# Altium PCB 400150.PcbDoc (part 2 of 3)
Units mil, origin at the board's own origin, x right, y up, seen from the top; angles counter-clockwise.
Board outline 4000 x 2500 mil, 4 copper layers (Top Layer, Mid-Layer 1, Mid-Layer 2, Bottom Layer), stack 62.293 mil thick; 200 components, 153 nets, 913 pads, 613 vias.
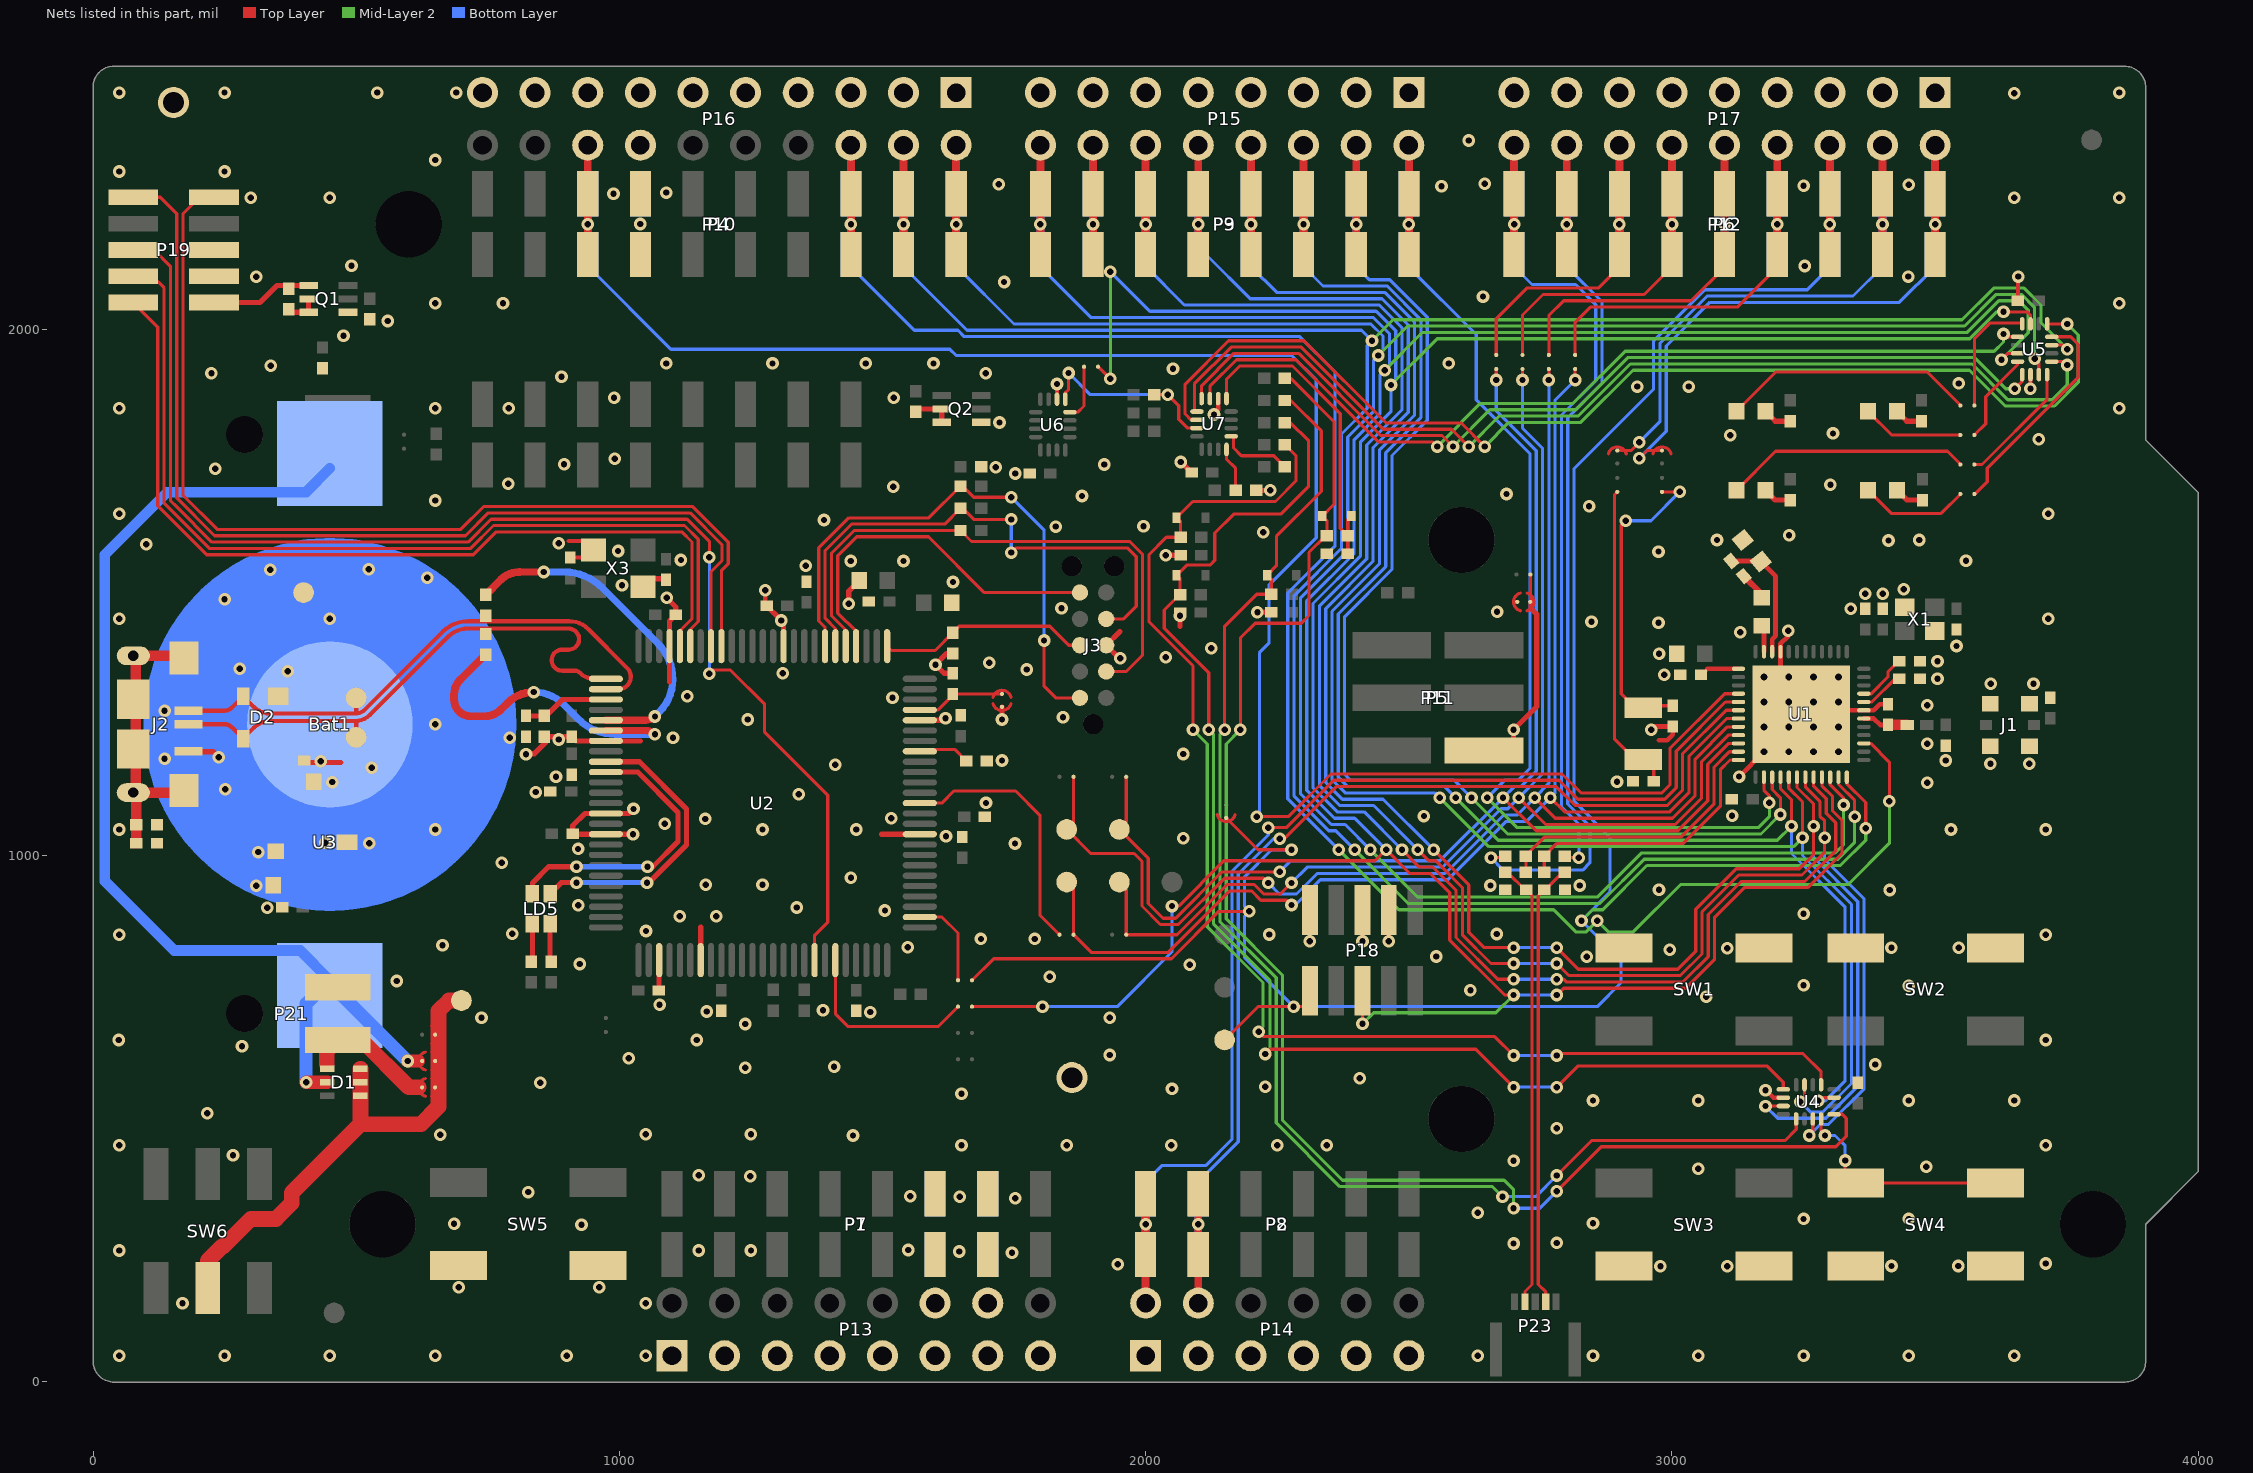
[diagram p4: the nets of this part, all layers, seen from the top]

## Via types
v1: diameter 24, hole 12, Top Layer to Bottom Layer, tented both sides, 576 vias
v2: diameter 24, hole 12, Top Layer to Bottom Layer, 21 vias
v3: diameter 25.98, hole 12.99, Top Layer to Bottom Layer, tented both sides, 16 vias

## Nets (pads, with @x,y where several pads share a name; then routed paths per layer and width w, separated by ;. In a path a pad name is that pad's centre, name@x,y a point inside that pad or via, vN(x,y) a via of type N, cw(c..) or ccw(c..) an arc to the next point about the centre after c; other vN are vias at no path point) (continued)
BUTTON4: SW4.2 U4.12 | length 425.6
  Top Layer w6: U4.12@3283.29,499.52 3283.29,475.38 v1(3290.66,468) ; v1(3329.02,420.63) 3329.02,396.63 3348.02,377.63 SW4.2@3613.77,377.63
  Bottom Layer w6: v1(3290.66,468) 3309.65,468 3329.02,448.63 v1(3329.02,420.63)
BUTTON4_EXT: C51.1 D6.3 R43.1 U7.5 | length 612.5
  Top Layer w6: U7.5@2153.56,1868.23 2153.56,1905.02 2178.53,1930 2278.99,1930 2369.75,1839.24 2369.75,1621.71 R43.1@2383.76,1607.69 ; C51.1@2383.76,1573.69 R43.1@2383.76,1607.69 ; D6.3@2390.86,1645 2383.76,1637.9 R43.1@2383.76,1607.69
CTS: SB22.2 U2.38 | length 499.2
  Top Layer w6: U2.38@1570.83,1099.6 1612.55,1099.6 1635.55,1122.6 1753.01,1122.6 1799,1076.6 1798.99,887.01 SB22.2@1836.4,849.6
DEC1: C4.1 U1.1 | length 76
  Top Layer w8: C4.1@3055.31,1342.92 3067.16,1354.77 U1.1@3126.37,1354.77
DEC2: C6.1 U1.32 | length 88.3
  Top Layer w6: U1.32@3364.56,1291.78 3379.76,1291.78 3424.14,1336.16 C6.1@3434.46,1336.16
DEC3: C7.1 U1.33 | length 96
  Top Layer w6: U1.33@3364.56,1307.53 3378.54,1307.53 3410.46,1339.46 3410.46,1349.35 C7.1@3429.52,1368.41
DEC4: C10.2 L3.1 U1.46 | length 241.3
  Top Layer w9: L3.1@3112.48,1559.49 C10.2@3167.89,1559.48 ; C10.2@3168.58,1558.8 3196.71,1530.66 3196.71,1417.47 3190.35,1411.11 U1.46@3190.35,1387.25
DFSD_N: R14.1 U2.80 | length 645
  Top Layer w13.78: 810,1538.6 v1(856.61,1538.6) ; U2.80@974.38,1257.18 1048.61,1257.18 ; 1050.33,1257.18 ccw(c1050.33,1281.62) v1@1067.61,1264.34
  Top Layer w15: R14.1@746.01,1495.22 774.82,1524.03 cw(c810,1488.84) 810,1538.6
  Bottom Layer w13.78: v1(856.61,1538.6) 896.18,1538.6 cw(c896.18,1438.6) 966.9,1509.31 1073.32,1402.88 cw(c1005.04,1334.6) 1101.61,1334.6 cw(c1013.82,1334.6) 1075.89,1272.53 v1(1067.61,1264.24)
DFSD_P: R13.1 U2.81 | length 642.8
  Top Layer w13.78: U2.81@974.38,1237.39 1049.61,1237.39 ; 1050.33,1237.39 cw(c1050.33,1212.96) v1@1067.61,1230.24
  Top Layer w15: R13.1@746.01,1382.31 697.81,1334.11 ccw(c726.32,1305.6) 686,1305.6 686,1296.6 ccw(c718,1296.6) 718,1264.6 743.64,1264.6 ccw(c743.64,1309.96) 775.71,1277.89 787.8,1289.97 cw(c837.61,1240.16) v1(837.61,1310.6)
  Bottom Layer w13.78: v1(837.61,1310.6) cw(c837.61,1230.93) 893.94,1287.27 921.68,1259.53 ccw(c992.39,1330.24) 992.39,1230.24 v1@1067.61,1230.24
  other v1: 1067.61,1230.34
DHSD_N: D2.2 J2.2 R14.2 TP2.1 U2.77 | length 1124.2
  Top Layer w8: J2.2@181.84,1275.1 249.61,1275.1 ccw(c249.61,1295.1) 263.75,1280.95 D2.2@284.82,1302.03 ; D2.2@285.2,1302.95 285.2,1302.72 305.26,1282.66 ccw(c336.68,1314.07) 336.68,1269.65 497.83,1269.65 ccw(c497.83,1296.26) 516.65,1277.44 664.24,1425.04 ; 500,1271.82 TP2.1@500,1299.6 ; 664.14,1425.14 cw(c712.81,1376.48) 712.41,1445.3 904.62,1445.3 cw(c904.62,1393.92) 940.96,1430.25 1014.68,1356.53 ; 712.43,1445.3 cw(c712.81,1376.48) 712.81,1445.3 ; U2.77@974.38,1316.13 U2.77@997.79,1316.13 ; 1014.68,1356.53 cw(c997.8,1339.64) 997.8,1315.77 ccw(c997.8,1339.64) 1014.68,1356.53
  Top Layer w13.78: D2.2@285.2,1302.95 cw(c283.89,1302.95) 284.82,1302.03 ccw(c283.89,1302.95) D2.2@285.2,1302.95
DHSD_P: D2.3 J2.3 R13.2 TP1.1 U2.76 | length 1102.6
  Top Layer w8: J2.3@181.84,1249.6 249.61,1249.6 cw(c249.61,1229.6) 263.75,1243.74 D2.3@285.2,1222.25 ; D2.3@285.2,1222.49 305.26,1242.55 ; TP1.1@500,1224.6 500,1253.17 ; 674.57,1415.53 cw(c712.41,1377.7) 674.78,1415.73 cw(c712.41,1377.7) 712.41,1431.2 904.91,1431.2 ; 674.98,1415.93 526.62,1267.58 cw(c497.61,1296.6) 497.61,1255.56 336.67,1255.56 ; 891.42,1351.1 cw(c891.42,1371.1) 891.42,1391.1 ; 891.61,1351.1 915.35,1351.1 cw(c915.35,1337.44) 925.01,1347.1 ccw(c952.24,1374.33) 952.24,1335.82 U2.76@974.38,1335.82 ; 891.81,1391.1 903.62,1391.1 ccw(c903.62,1411.1) 903.62,1431.1 ; 305.26,1242.55 cw(c336.67,1211.13) 336.67,1255.56 ; 305.26,1242.55 cw(c336.67,1211.13) 336.67,1255.56
  Top Layer w13.78: D2.3@285.2,1222.25 D2.3@285.2,1222.49
EXT_GND_DETECT: P19.9 U2.67 | length 1918.7
  Top Layer w6: P19.9@229.77,2250.6 202,2250.6 171,2219.6 171,1684.48 235.88,1619.6 698.56,1619.6 742,1663.04 1139.52,1663.04 1207,1595.55 1207,1554.43 1193.87,1541.3 U2.67@1193.87,1397.83
EXT_RESET: P19.10 U2.68 | length 1946.2
  Top Layer w6: P19.10@76.23,2250.6 128,2250.6 159,2219.6 159,1679.51 230.91,1607.6 707.65,1607.6 751.09,1651.04 1134.55,1651.04 1195,1590.58 1195,1560.32 1174.18,1539.5 U2.68@1174.18,1397.83 U2.68@1174,1398.01
EXT_SWDCLK: P19.4 U2.70 | length 1765.6
  Top Layer w6: P19.4@76.23,2100.6 113,2100.6 135,2078.6 135,1669.57 220.97,1583.6 717.59,1583.6 761.03,1627.04 1123.76,1627.04 1150,1600.79 1150,1444.63 1134.81,1429.44 U2.70@1134.81,1397.83
EXT_SWDIO: P19.2 U2.71 | length 1692.3
  Top Layer w6: P19.2@76.23,2050.6 123,2003.83 123,1664.6 216,1571.6 722.56,1571.6 766,1615.04 1118.78,1615.04 1138,1595.82 1138,1449.6 1115.13,1426.73 U2.71@1115.13,1397.83
EXT_SWO: P19.6 U2.18 | length 2553.2
  Top Layer w6: P19.6@76.23,2150.6 116,2150.6 147,2119.6 147,1674.54 158.94,1662.6 225.94,1595.6 712.62,1595.6 756.06,1639.04 1128.78,1639.04 1171,1596.82 v1(1171,1566.92) ; v1(1171,1345.6) 1178,1352.6 1211,1352.6 1276,1287.6 1276,1234.6 1396,1114.6 1396,873.6 1371.03,848.63 U2.18@1371.03,801.37
  Bottom Layer w6: v1(1171,1345.6) v1(1171,1566.92)
EXT_VTG: P19.1 Q1.4 R8.1 | length 193.3
  Top Layer w10: P19.1@229.77,2050.6 317,2050.6 349.59,2083.19 Q1.4@409.6,2083.19
GND: Bat1.2 C1.2 C2.2 C3.1 C4.2 C5.2 C6.2 C7.2 C8.2 C9.2 C10.1 C11.1 C12.1 C13.2 C15.2 C16.1 C17.1 C18.1 C19.1 C20.1 C21.1 C22.2 C23.2 C24.1 C25.1 C26.1 C27.1 C28.1 C29.1 C30.1 C31.1 C32.1 C33.1 C34.1 C35.1 C36.2 C37.1 C38.1 C39.1 C40.1 C41.1 C42.2 C43.1 C44.1 C45.1 C46.1 C47.1 C48.2 C49.1 C50.1 C51.2 D2.1 J1.2 J2.5 J3.3 P1.6 P1.7 P4.7 P7.6 P7.7 P10.7 P13.1 P13.3 P13.5 P13.7 P13.9 P13.11 P13.12 P13.13 P13.14 P13.15 P14.1 P14.3 P14.5 P14.7 P14.9 P14.11 P15.1 P15.3 P15.5 P15.7 P15.9 P15.11 P15.13 P15.15 P16.1 P16.3 P16.5 P16.7 P16.9 P16.11 P16.13 P16.14 P16.15 P16.17 P16.19 P17.1 P17.3 P17.5 P17.7 P17.9 P17.11 P17.13 P17.15 P17.17 P18.3 P18.5 P18.9 P19.3 P19.5 P21.1 Q1.1 Q2.1 R7.2 R10.1 R11.1 R12.1 R17.1 R18.1 R24.2 R38.1 SB18.1 SB28.2 SW1.1 SW2.1 SW3.1 SW4.1 SW5.1 TP4.1 TP12.1 TP13.1 U1.31 U1.45 U1.49 U2.3 U2.7 U2.35 U2.46 U2.61 U2.72 U2.82 U2.89 U2.91 U3.3 U4.6 U5.6 U6.6 U7.6 X1.2 X1.4 X3.2 X3.4 | length 2504.2
  Top Layer w8: 904,1597.6 933.66,1597.6 X3.2@950.6,1580.66 936.22,1566.28 C22.2@906.61,1566.28 ; U6.6@1831.49,1867 v1(1831.49,1896) ; v1(2129.94,1838) 2137.81,1845.87 U7.6@2137.81,1868.23 ; v1(2312,837) P18.9@2312,896.54 ; v1(2412,837) P18.5@2412,896.54 ; v1(2462,837) P18.3@2462,896.54 ; v1(3177.66,554) 3178.78,554 3192.9,539.87 U4.6@3211.44,539.87 ; C45.1@3657.31,2054 v1@3657.31,2099.63 ; v1(3681,1887) 3681.13,1887.13 U5.6@3681.13,1913.77
  Top Layer w9: v1(1277,1503.92) 1277,1477.52 C35.1@1279.92,1474.6 ; v1(1727,1258.49) 1727,1275.62 SB28.2@1727,1282.49 ; v1(2960.61,1238.85) 2966.93,1245.16 C11.1@3001.61,1245.16 3001.61,1229.54 2990.91,1218.85 2975.14,1218.85 ; v1(3127.46,1150.05) 3127.46,1150.16 v3(3174.6,1197.29) U1.49@3245.46,1268.16 ; U1.49@3206.09,1354.77 U1.45@3206.09,1387.25 3206.09,1402.08 3221,1416.99 v1(3221,1426.8) 3218.76,1424.55 v1@3217.56,1424.55 ; U1.49@3269.78,1276.16 3383.23,1276.16 3394.53,1287.46 C3.1@3410.78,1287.46
  Top Layer w10: J2.5@186.84,1198.42 186.84,1197.1 228.46,1197.1 v2(239,1186.56) ; C21.1@401.29,1180.6 401.29,1176.6 471.11,1176.6 ; v1@827.61,1193.6 838.61,1193.6 860.61,1215.6 860.61,1225.91 C38.1@909.61,1225.91 917.81,1217.71 U2.82@974.38,1217.71 1039.89,1217.71 ; v1(1026,1040.6) v1(1026,1040.6) U2.91@974.38,1040.54 912.35,1040.54 C41.1@911.29,1041.6 911.29,1056.66 934.55,1079.91 U2.89@974.38,1079.91 1018.31,1079.91 v1(1027,1088.6) ; X3.4@1044.61,1525.91 C23.2@1088.61,1525.91 ; C24.1@1075.29,743.6 U2.3@1075.29,800.91 ; v1(1090,1489.6) 1107.29,1472.31 C36.2@1107.29,1457.6 1095.44,1445.75 U2.72@1095.44,1397.83 1095.44,1330.04 ; U2.7@1154.5,801.37 1154.5,864.1 ; C35.1@1279.92,1474.6 v1@1305.92,1448.6 ; U2.61@1311.98,1397.83 v1@1311.98,1440.36 ; v1(1436,1478.6) 1436,1502.57 C33.1@1456.03,1522.6 ; 1498.06,1040.54 U2.35@1570.83,1040.54 ; U2.46@1570.83,1257.08 1616.09,1257.08 v1(1619.61,1260.6) ; C30.1@1633.61,1346.28 1616.92,1346.28 v1(1600.61,1362.6) 1621.92,1383.91 R24.2@1633.61,1383.91 ; 1951,1425.6 J3.3@1925,1399.6 1950,1374.6 v1(1952,1374.6) ; v1(2038.31,1570.77) C48.2@2066.31,1570.77 ; 2065.31,1435.77 2065.31,1461.69 C49.1@2065.39,1461.77 ; v1(2066.62,1747.77) 2067.31,1747.77 C47.1@2087.31,1727.77 ; R38.1@2210.36,1693.77 v1(2236.62,1693.77) ; v1(2212.31,1462.47) C50.1@2238.62,1462.47
  other v1: 50,49.6 250,49.6 450,49.6 650,49.6 900,49.6 1050,49.6 2631,49.6 2850,49.6 3050,49.6 3250,49.6 3450,49.6 3650,49.6 170,149.6 1050,149.6 695,179.6 962,179.6 2978.02,219.71 3105.02,219.71 3417.02,220.15 3544.02,220.15 1947,223.6 3710,225 1746,245.6 1646,247.6 50,249.6 1151,249.6 1250,249.6 1549,250.6 2699,263 2781,264 928,298.6 686,300.6 2850,301.6 3250,309.6 3450,309.6 2631,321.6 1752,348.6 1647,351.6 1553,352.6 827,360.6 1249,390.6 1151,392.6 3050.02,404.64 3482.89,408.89 2699,420 266,430.6 50,449.6 1650,449.6 1850,449.6 2048.5,449.6 2250,449.6 2344,449.6 3710,449.6 1444,468 660,469.6 1050,470.6 1250,470.6 2781,482 217,510.6 2850,534.6 3050,534.6 3450,534.6 3650,534.6 1650,547.6 2050,556.6 2227,561 850,568.6 2406.69,577 1239,596.6 1408.02,599 3386,603 1018,614.92 1932.02,621 283,637.6 49,649.6 1147,649.6 3710,649.6 1239.02,680 738,691.6 1932.02,692 1477,702.6 1166,703.6 1387.02,706 1076.44,716.37 3065,732 2617,744 3450,752.6 3250,753.6 577,761.6 1818,769.6 2084,792.6 924.61,793.91 2552,808.23 2838,808 2996,821 3105,824 3416.87,824.74 3544.87,824.74 1548.2,825.6 664,829.6 1687,841.6 1789,841.6 50,849.6 2235,850 3710,849.6 2667,851 796.61,851.6 1050.61,856.6 1115,884.6 1184,884.6 3250,889.6 1504.61,895.6 331,900.6 1337.09,901.37 922,905.6 2975.31,935 3414,934.6 2655,943 2825,943 1164,944.6 1272,944.6 1440,957.6 776.61,986.6 921.61,1012.6 1751.69,1023 2071.31,1033 1620.61,1036.6 50,1049.6 1272,1049.6 1450,1049.6 3530,1049.6 3710,1049.6 1086,1060.6 1163,1069.6 1516.61,1070.6 2528.69,1075 3114.13,1075.74 1696.69,1100 1341.09,1116.37 841,1120.6 3485,1138.03 2895.5,1140.29 879.61,1149.6 1410.09,1172.37 3605,1174.6 3679,1174.6 1727,1180.6 3520,1180.6 822.61,1192.6 2071.31,1193 3485,1212.6 884.61,1220.6 1102,1223.6 1244,1258.6 1843,1262.6 3485,1285.6 1519,1299.6 1129,1302.6 3605.87,1326.16 3686.87,1326.16 3504.46,1336.16 2985.46,1343.37 1310.61,1346.6 1774,1353.6 1703,1366.6 3504.46,1369.16 2038.31,1377 2975.46,1383.37 2124.31,1394 3540.46,1398.16 3129.46,1423.96 2974.46,1442.54 2847,1444 1307.61,1446.6 50,1449.6 3715,1449.6 2065.31,1455.77 2667.69,1463 3339.46,1469.16 1840,1469.6 3367.46,1497.54 3400.46,1497.54 3440.46,1506.16 1005,1513.6 1634,1519.6 1354,1550.6 1439.61,1559.6 1540,1559.6 3558.46,1560.16 1117,1561.6 2974.46,1577.54 997.61,1578.6 101,1591.6 884.61,1593.6 3411.46,1598.54 3085.46,1599.54 3470,1599.6 3222.46,1608.54 2223.31,1614 1829.31,1625 1996,1625.6 1388.84,1637.6 50,1649.6 3715,1649.6 2842.46,1663.54 650,1674.6 1879.09,1683 2685.69,1687 1520.31,1700.77 3301,1704.6 789,1706.6 1752.31,1725.77 232,1734.6 1715.31,1737.77 1921.09,1743 895,1743.6 991,1753.6 3696.69,1791 3110.46,1798.54 3306.01,1801.99 1722.31,1822.77 50,1849.6 650,1849.6 790,1849.6 3850,1849.6 990,1869.6 1521.31,1869.77 2933.69,1891 3031.69,1891 3545.01,1896.99 890,1909.6 225,1916.6 1696,1916.6 2052,1925 338,1930.6 1089,1935 1291,1935 1468,1935 1597,1935 2576,1935 476,1987.6 560,2015.6 650,2049.6 779,2049.6 3850,2049.6 2641,2062 1731,2089.6 310,2099.6 3449,2100 3657.69,2100 3252,2120 491,2120.6 1040,2200 300,2249.6 450,2249.6 3650,2249.6 3850,2249.6 989,2257.6 1089,2259.6 2562,2271.6 3250,2272.6 3450,2274.6 1721,2275.6 2644,2276.6 50,2299.6 250,2299.6 650,2321.6 2614,2358.6 3650,2448.6 50,2449.6 250,2449.6 540,2449.6 690,2449.6 3850,2449.6
  other v2: 310,942.6 314,1006.6 525,1023.6 441,1024.6 650,1049.6 251,1126 454.61,1139.6 529.61,1166.6 432.61,1179.1 136,1184 791.61,1223.6 650,1249.6 136,1275 370,1350 279,1355 450,1449.6 250,1487 635,1528 337,1543 524,1544
  other v3: 3221.84,1197.29 3269.09,1197.29 3316.33,1197.29 3174.6,1244.54 3221.84,1244.54 3269.09,1244.54 3316.33,1244.54 3174.6,1291.78 3221.84,1291.78 3269.09,1291.78 3316.33,1291.78 3174.6,1339.03 3221.84,1339.03 3269.09,1339.03 3316.33,1339.03
IMCU_RESET: J3.10 R23.1 U2.57 | length 1076.3
  Top Layer w6: U2.57@1390.72,1397.83 1390.72,1434.02 1379,1445.73 1379,1584.51 1436.09,1641.6 1588.16,1641.6 R23.1@1648.16,1701.6 1652.16,1701.6 1673.16,1680.6 v1(1744.69,1680.6) ; v1(1807,1408.6) 1807,1321.6 1829,1299.6 J3.10@1875,1299.6
  Bottom Layer w6: v1(1744.69,1680.6) 1807,1618.29 v1(1807,1408.6)
IMCU_TCKS: J3.4 R22.1 U2.56 | length 1057.3
  Top Layer w6: U2.56@1410.4,1397.83 1410.4,1431.3 1391,1450.7 1391,1579.54 1441.06,1629.6 1618.16,1629.6 R22.1@1648.16,1659.6 1652.16,1659.6 1673.16,1638.6 v1(1744.69,1638.6) ; v1(1744.69,1575.6) 1753.69,1584.6 1965.03,1584.6 1982,1567.63 1982,1473.6 1958,1449.6 J3.4@1925,1449.6
  Bottom Layer w6: v1(1744.69,1575.6) v1(1744.69,1638.6)
IMCU_TDIS: J3.8 R24.1 U2.51 | length 403.5
  Top Layer w6: U2.51@1508.83,1397.83 1517.05,1389.6 1599.92,1389.6 R24.1@1633.61,1423.28 1645.92,1435.6 1818,1435.6 1854,1399.6 J3.8@1875,1399.6
IMCU_TDOS: J3.6 U2.54 | length 705
  Top Layer w6: U2.54@1449.77,1397.83 1449.77,1425.87 1415,1460.64 1415,1569.6 1451,1605.6 1587.48,1605.6 1693.48,1499.6 J3.6@1875,1499.6
IMCU_TMSS: J3.2 R21.1 U2.55 | length 1089.2
  Top Layer w6: U2.55@1430.09,1397.83 1430.09,1428.59 1403,1455.67 1403,1574.57 1446.03,1617.6 R21.1@1648.16,1617.6 1669.16,1596.6 1969.84,1596.6 ; J3.2@1925,1349.6 1963,1349.6 1994,1380.6 1994,1572.6 1969.92,1596.68
INT_EXT: R31.1 U6.5 U7.11 | length 380.4
  Top Layer w6: U6.5@1847.24,1867 1847.24,1879.24 1853.52,1885.52 v1(1853.52,1916.77) ; R31.1@2016.31,1875.77 v1(2041.94,1875.77) 2062.94,1854.77 2062.94,1829 2079.81,1812.13 U7.11@2097.45,1812.13
  Bottom Layer w6: v1(1853.52,1916.77) 1894.52,1875.77 v1(2041.94,1875.77)
LED1: SB5.1 U5.16 | length 229.6
  Top Layer w6: SB5.1@3574.5,1855 3574.5,1981.5 3605,2012 U5.16@3665,2012
LED1_EXT: U5.1 U7.7 | length 1744.6
  Top Layer w6: U7.7@2122.06,1868.23 2122.06,1891.38 2172.68,1942 2285.71,1942 2441.71,1786 2545,1786 v1(2554,1777) ; v1(3629.94,1991) 3635.32,1985.62 U5.1@3656.52,1985.62
  Mid-Layer 2 w6: v1(2554,1777) 2636,1859 2812,1859 2911,1958 3612,1958 3629.75,1975.75 v1@3629.75,1989.07
LED2: SB6.1 U5.4 | length 173.4
  Top Layer w6: SB6.1@3574.5,1799 3596,1820.5 3596,1871.71 3656.52,1932.23 U5.4@3656.52,1938.38
LED2_EXT: U5.5 U7.8 | length 1795
  Top Layer w6: U7.8@2106.31,1868.23 2106.31,1892.63 2167.68,1954 2290.68,1954 2446.68,1798 2563,1798 v1(2584,1777) ; v1(3651,1887) 3665.38,1901.38 U5.5@3665.38,1913.77
  Mid-Layer 2 w6: v1(2584,1777) 2654,1847 2816.97,1847 2915.97,1946 3575.2,1946 3634.2,1887 v1(3651,1887)
LED3: SB7.1 U5.8 | length 236.5
  Top Layer w6: SB7.1@3574.5,1743 3589,1743 3712.62,1866.62 U5.8@3712.62,1913.77
LED3_EXT: U5.9 U7.9 | length 1992.5
  Top Layer w6: U7.9@2092.53,1843.77 2092.53,1896.23 2162.31,1966 2295.65,1966 2451.65,1810 2581,1810 v1(2614,1777) ; U5.9@3721.48,1938.38 3744.62,1938.38 v1(3751,1932)
  Mid-Layer 2 w6: v1(2614,1777) 2672,1835 2821.94,1835 2920.94,1934 3570.23,1934 3638.23,1866 3722,1866 3751,1895 v1(3751,1932)
LED4: SB8.1 U5.12 | length 422.4
  Top Layer w6: SB8.1@3575.46,1686.54 3599,1710.07 3599,1736.03 3772,1909.03 3772,1971 3757.38,1985.62 U5.12@3721.48,1985.62
LED4_EXT: U5.13 U7.10 | length 2163
  Top Layer w6: U7.10@2097.45,1827.87 2085.89,1827.87 2074.94,1838.82 2074.94,1895.63 2157.31,1978 2300.62,1978 2456.62,1822 2599,1822 v1(2644,1777) ; U5.13@3712.62,2010.23 v1@3750.77,2010.23
  Mid-Layer 2 w6: v1(2644,1777) 2690,1823 2826.91,1823 2925.91,1922 3565.26,1922 3633.26,1854 3726.97,1854 3772,1899.03 3772,1989 v1(3751,2010)
NetBat1_1: Bat1.1 D1.5 SB11.2 | length 2110.2
  Top Layer w25: v1(405,569.19) D1.5@445.01,569.19 ; v1(598,609.6) 618.53,609.6
  Bottom Layer w20: Bat1.1@449.9,763.38 393.69,819.6 154,819.6 22,951.6 22,1571.6 141,1690.6 404.68,1690.6 Bat1.1@449.9,1735.82
  Bottom Layer w25: v1(405,569.19) 405,718.48 449.9,763.38 449.9,757.7 v1(598,609.6)
NetC3_2: C3.2 L1.1 U1.30 | length 86.6
  Top Layer w9: U1.30@3364.56,1260.29 3383.26,1260.29 3395.46,1248.09 C3.2@3410.78,1248.09
  Top Layer w20: C3.2@3410.46,1248.29 L1.1@3445.78,1248.29
NetC11_2: C11.2 SB2.1 X2.1 | length 602.3
  Top Layer w6: v1(2912,1636) 2903.46,1627.46 2903.46,1307.54 2929.94,1281.06 X2.1@2945.61,1281.06 2949.08,1284.53 C11.2@3001.61,1284.53 ; SB2.1@2981,1691 v1(3015,1691)
  Bottom Layer w6: v1(2912,1636) 2960,1636 v1(3015,1691)
NetC12_2: C12.2 SB1.1 X2.2 | length 592.5
  Top Layer w6: SB1.1@2896,1691 2891,1686 2891,1221 2929.37,1182.63 X2.2@2945.61,1182.63 2965.3,1162.95 C12.2@2965.3,1140.85
NetC19_2: C19.2 J2.6@76.53,1119.68 J2.6@76.53,1202.36 J2.6@76.53,1296.84 J2.6@76.53,1379.52 J2.6@172.98,1123.62 J2.6@172.98,1375.58 R12.2 | length 552.4
  Top Layer w20: C19.2@82.16,1023.6 82.16,1119.05 J2.6@81.53,1119.68 ; J2.6@177.98,1123.62 174.05,1119.68 J2.6@81.53,1119.68 ; J2.6@177.98,1375.58 174.05,1379.52 81.53,1379.52 81.53,1296.84 81.53,1202.36 J2.6@81.53,1119.68
NetC30_2: C30.2 SB28.1 U2.47 | length 170
  Top Layer w6: U2.47@1570.83,1276.76 1605.68,1276.76 1633.61,1304.69 C30.2@1633.61,1306.91 1712.97,1306.91 1726.83,1306.91 SB28.1@1727,1307.09
NetC37_2: C37.2 R17.2 U2.78 | length 161.7
  Top Layer w10: C37.2@825.61,1265.28 860.61,1265.28 891.77,1296.45 U2.78@974.38,1296.45
NetD1_1: D1.1 D1.2 D1.3 SB10.1 SB11.1 SB12.1 SW6.2 TP14.1 | length 961.6
  Top Layer w30: SW6.2@218,178.33 218,229.99 245.52,257.51 247.91,257.51 300,309.6 347.43,309.6 377.58,339.75 377.58,359.18 508,489.6 ; D1.3@508,594.78 D1.2@508,569.19 D1.1@508,543.6 508,489.6 ; TP14.1@700,724.6 676.2,724.6 656.2,704.6 656.2,522.8 623,489.6 508,489.6
NetD1_4: D1.4 P21.2 SB12.2 | length 245.5
  Top Layer w30: 444,603.6 444,628.6 P21.2@465,649.6 510,649.6 600,559.6 618.53,559.6
NetD3_1: D3.1 R33.1 R40.2 U4.1 | length 2575
  Top Layer w6: v1(2090,1239) 2090,1360.29 2006.31,1443.98 2006.31,1571.77 2039.3,1604.77 2066.3,1604.77 2066.31,1634.13 D3.1@2058.66,1641.77 2089.66,1672.77 2246.62,1672.77 2285.62,1711.77 2285.62,1759.62 R33.1@2264.62,1780.62 ; v1(2215,665) 2224,656 2662.99,656 v1(2699,620) ; v1(2781,620) 2785,624 3248.69,624 3283.29,589.41 U4.1@3283.29,564.48
  Mid-Layer 2 w6: v1(2090,1239) 2117,1212 2117,864.85 2223,758.85 2223,674 2215,666 v1(2215,665)
  Bottom Layer w6: v1(2699,620) v1(2781,620)
NetD4_1: D4.1 R34.1 R41.2 U4.5 | length 2570
  Top Layer w6: R41.2@2064.75,1496.07 2035.31,1466.63 2035.31,1431.98 2120,1347.29 v1(2120,1239) ; R41.2@2065.39,1495.77 2065.39,1526.13 D4.1@2058.75,1532.77 2077.75,1551.77 2122.31,1551.77 2131.31,1560.77 2131.31,1612.77 2167.31,1648.77 2256.82,1648.77 2309.62,1701.57 2309.62,1787.96 2274.96,1822.62 R34.1@2264.62,1822.62 ; v1(2227,623) 2236,632 2626.99,632 v1(2699,560) ; v1(2781,560) 2821,600 3181.02,600 3211.44,569.58 U4.5@3211.44,555.62
  Mid-Layer 2 w6: v1(2120,1239) 2129,1230 2129,869.82 2236,762.82 2236,632 v1(2227,623)
  Bottom Layer w6: v1(2699,560) v1(2781,560)
NetD5_1: D5.1 R35.1 R42.2 U4.9 | length 2673.4
  Top Layer w6: v1(2150,1239) 2150,1435.69 2210.77,1496.47 R42.2@2238.62,1496.47 2238.62,1524.9 D5.1@2230.75,1532.77 2248.31,1550.33 2248.31,1606.31 2333.62,1691.63 2333.62,1806.74 2275.74,1864.62 R35.1@2264.62,1864.62 ; v1(2781,392) 2847.63,458.63 3215.02,458.63 3236.04,479.66 U4.9@3236.04,499.52
  Mid-Layer 2 w6: v1(2150,1239) 2141,1230 2141,874.79 2248,767.79 2248,492.03 2369.03,371 2658.99,371 v1(2678,352)
  Bottom Layer w6: v1(2678,352) 2741,352 v1(2781,392)
NetD6_1: D6.1 R36.1 R43.2 U4.13 | length 2917.8
  Top Layer w6: v1(2180,1239) 2180,1413.25 2208.21,1441.47 2295.77,1441.47 2310.31,1456 2310.31,1576 R43.2@2341.31,1607 ; R36.1@2264.62,1906.62 2275.74,1906.62 2357.62,1824.74 2357.62,1666.87 D6.1@2335.75,1645 2344.39,1636.35 R43.2@2344.39,1607.69 ; v1(2781,362) 2865.63,446.63 3311.02,446.63 3331.02,466.63 3331.02,500.63 3323.27,508.38 U4.13@3307.89,508.38
  Mid-Layer 2 w6: v1(2180,1239) 2153,1212 2153,879.76 2260,772.76 2260,497 2374,383 2680.99,383 2699,365 v1(2699,330)
  Bottom Layer w6: v1(2699,330) 2749,330 v1(2781,362)
NetL2_1: L2.1 L3.2 | length 55.2
  Top Layer w11: L3.2@3136.52,1530.83 3170.46,1496.88 L2.1@3170.46,1489.73
NetL2_2: L2.2 U1.47 | length 42.4
  Top Layer w9: U1.47@3174.6,1387.25 L2.2@3174.6,1429.7
NetLD5_1: LD5.1 R20.1 | length 71.8
  Top Layer w10: R20.1@834.87,798.28 LD5.1@834.87,870.06
NetLD5_2: LD5.2 R19.1 | length 71.8
  Top Layer w10: R19.1@868.34,798.28 LD5.2@868.34,870.06
NetLED1_1: LED1.1 SB5.2 | length 483.5
  Top Layer w6: LED1.1@3122.51,1843.99 3197.51,1918.99 3484.41,1918.99 SB5.2@3548.41,1854.99
NetLED1_2: LED1.2 R1.1 | length 55.2
  Top Layer w10: LED1.2@3177.51,1843.99 3196.19,1825.31 R1.1@3225.01,1825.31
NetLED2_1: LED2.1 SB6.2 | length 194.3
  Top Layer w6: LED2.1@3372.25,1844 3417.25,1799 SB6.2@3547.9,1799
NetLED2_2: LED2.2 R2.1 | length 54
  Top Layer w10: LED2.2@3427.25,1844 3445.94,1825.31 R2.1@3473.5,1825.31
NetLED3_1: LED3.1 SB7.2 | length 467.6
  Top Layer w6: LED3.1@3121.75,1693 3196.76,1768 3522.9,1768 ; 3523.41,1767.99 SB7.2@3548.41,1742.99
NetLED3_2: LED3.2 R3.1 | length 55
  Top Layer w10: LED3.2@3177.25,1694 3195.94,1675.31 R3.1@3224.5,1675.31
NetLED4_1: LED4.1 SB8.2 | length 208.9
  Top Layer w6: LED4.1@3372.51,1693.99 3416.5,1650 3510.9,1650 ; 3511.41,1649.99 SB8.2@3548.41,1686.99
NetLED4_2: LED4.2 R4.1 | length 55.7
  Top Layer w10: LED4.2@3427.51,1693.99 3446.19,1675.31 R4.1@3475.5,1675.31
NetP5_6: P5.6 P11.6 SB18.2 SB19.1 | length 396.7
  Top Layer w6: SB18.2@2731,1479.4 2731,1495.59 SB19.1@2731,1534
  Top Layer w10: P5.6@2699,1201.6 v1(2699,1239) 2743,1283 2743,1458.29 2732,1469.29 2732,1478.4 2735.6,1482
  Bottom Layer w10: P11.6@2699,1201.6 v1(2699,1239)
NetQ1_5: Q1.5 Q1.6 R8.2 | length 65.6
  Top Layer w10: R8.2@372,2037.91 377.91,2032.01 Q1.6@409.6,2032.01 Q1.5@409.6,2057.6
NetQ2_5: Q2.5 Q2.6 R9.2 | length 77.5
  Top Layer w10: R9.2@1563,1842.91 1568.69,1848.6 Q2.5@1612.6,1848.6 Q2.6@1612.6,1823.01
NetR18_2: R18.2 U2.43 | length 98.7
  Top Layer w6: U2.43@1570.83,1198.02 1574.41,1201.6 1636.92,1201.6 R18.2@1658.92,1179.6
NetR32_1: R32.1 U7.1 | length 135.8
  Top Layer w6: U7.1@2166.89,1796.62 2166.89,1774.67 2181.94,1759.62 2243.61,1759.62 R32.1@2264.62,1738.62 R32.1@2265.77,1738.62
NetR37_1: R37.1 R38.2 U7.16 | length 85.2
  Top Layer w6: U7.16@2153.56,1771.77 2153.56,1753 2170.99,1735.57 R37.1@2170.99,1693.77
NetSB30_2: SB30.2 U6.4 | length 106.3
  Top Layer w6: U6.4@1856.1,1842.39 1871.14,1842.39 1882.92,1854.17 SB30.2@1882.92,1928.77
NFC1: C42.1 P23.2 R25.1 | length 846.6
  Top Layer w6: R25.1@2683.16,968.6 2687.16,968.6 2720.77,935 C42.1@2722.68,935 2734,923.68 2734,185 2720.68,171.68 P23.2@2720.68,152
NFC2: C43.2 P23.4 R26.1 | length 846.6
  Top Layer w6: P23.4@2760.05,152 2760.05,170.94 2746,185 2746,923.68 C43.2@2757.31,935 2758.92,935 2792.52,968.6 R26.1@2796.53,968.6
NRF_RESET: SB27.2 U2.27 | length 174.9
  Top Layer w6: U2.27@1570.83,883.06 1613.09,883.06 1643.42,852.74 SB27.2@1643.42,763
NRF_SWO: SB26.2 U2.20 | length 360.7
  Top Layer w6: U2.20@1410.4,801.37 1410.4,699.61 1435.02,675 1605.42,675 SB26.2@1643.42,713
OB_LED1: LD5.4 U2.84 | length 556.7
  Top Layer w10: LD5.4@868.34,927.14 889.79,948.6 v1(918.61,948.6) ; U2.84@974.38,1178.34 1037.87,1178.34 1127.61,1088.6 1127.61,1020.07 1056.13,948.6 v1(1052.61,948.6)
  Bottom Layer w10: v1(918.61,948.6) v1(1052.61,948.6)
OB_LED2: LD5.3 U2.85 | length 554.4
  Top Layer w10: LD5.3@834.87,927.14 834.87,947.87 865.61,978.6 v1(918.61,978.6) ; U2.85@974.38,1158.65 1034.92,1158.65 1111.61,1081.97 1111.61,1026.7 1063.51,978.6 v1(1053.61,978.6)
  Bottom Layer w10: v1(918.61,978.6) v1(1053.61,978.6)
P0.00: P6.1 P12.1 P17.2 SB4.2 | length 1202.7
  Top Layer w6: v1(2938,1755) 2952.6,1769.6 SB4.2@2981,1769.6
  Top Layer w15: P6.1@3500,2141.92 v1(3500,2199.6) P6.1@3500,2257.28 P17.2@3500,2349.6
  Bottom Layer w6: v1(2938,1755) 2989,1806 2989,1968 3072,2051 3432,2051 3500,2119 P12.1@3500,2141.92
  Bottom Layer w15: P12.1@3500,2141.92 v1(3500,2199.6) P12.1@3500,2257.28
P0.01: P6.2 P12.2 P17.4 SB3.2 | length 1081.9
  Top Layer w6: SB3.2@2896,1769.6 2922.6,1769.6 v1(2938,1785)
  Top Layer w15: P6.2@3400,2141.92 v1(3400,2199.6) P6.2@3400,2257.28 P17.4@3400,2349.6
  Bottom Layer w6: v1(2938,1785) 2977,1824 2977,1972.97 3067.03,2063 3344,2063 3400,2119 P12.2@3400,2141.92
  Bottom Layer w15: P12.2@3400,2141.92 v1(3400,2199.6) P12.2@3400,2257.28
P0.02: P4.8 P10.8 P16.16 U1.4 | length 3822
  Top Layer w6: v1(2211,1074) 2271.12,1074 2352.12,1155 2791,1155 2827,1119 2981.01,1119 2996,1133.99 2996,1203.3 3100.23,1307.53 U1.4@3126.37,1307.53
  Top Layer w15: P4.8@940,2141.92 v1(940,2199.6) P4.8@940,2257.28 P16.16@940,2349.6
  Bottom Layer w6: P10.8@940,2141.92 940,2120 1098,1962 1628.06,1962 1640.06,1950 2277.71,1950 2324,1903.71 2324,1799 ; v1(2211,1074) 2216,1079 2216,1385 2234,1403 2234,1513.65 2324,1603.65 2324,1821.08
  Bottom Layer w15: P10.8@940,2119.6 v1(940,2199.6) P10.8@940,2257.28
P0.03: P2.1 P8.1 P14.2 U1.5 | length 2226.9
  Top Layer w6: v1(2233,1053) 2267.1,1053 2357.1,1143 2785.22,1143 2821.22,1107 2986.01,1107 3008,1128.99 3008,1198.3 3101.48,1291.78 U1.5@3126.37,1291.78
  Top Layer w15: P14.2@2000,149.6 P2.1@2000,241.92 v1(2000,299.6) P2.1@2000,357.28
  Bottom Layer w6: P8.1@2000,380.6 2030.23,410.83 2113.83,410.83 2164,461 2164,970 2233,1039 v1(2233,1053)
  Bottom Layer w15: P8.1@2000,241.92 v1(2000,299.6) P8.1@2000,380.6
P0.04: P2.2 P8.2 P14.4 U1.6 | length 2111.9
  Top Layer w6: v1(2255,1032) 2263.07,1032 2362.07,1131 2780.22,1131 2816.22,1095 2991.01,1095 3020,1123.99 3020,1193.3 3102.73,1276.03 U1.6@3126.37,1276.03
  Top Layer w15: P14.4@2100,149.6 P2.2@2100,241.92 v1(2100,299.6) P2.2@2100,357.28
  Bottom Layer w6: P8.2@2100,357.28 2100,380 2176,456 2176,965.03 2242.97,1032 v1(2255,1032)
  Bottom Layer w15: P8.2@2100,241.92 v1(2100,299.6) P8.2@2100,357.28
P0.05: SB13.2 SB22.1 TP5.1 U1.7 | length 2467.4
  Top Layer w6: TP5.1@1863,936.6 SB22.1@1863,849.6 1896.6,816 2043,816 2159.94,932.94 2201.06,932.94 2219,915 2268,915 v1(2277,906) ; v1(2769,1110) 2796,1083 2996.01,1083 3032,1118.99 3032,1188.18 3104.1,1260.29 U1.7@3126.37,1260.29 ; v1(2816,1903.4) SB13.2@2816,1924.4
  Bottom Layer w6: v1(2277,906) 2284,906 2332,954 2574,954 2685,1065 2724,1065 v1(2769,1110) 2778,1119 2778,1865.4 v1(2816,1903.4)
P0.05_C: P6.4 P12.4 P17.8 SB13.1 | length 826.8
  Top Layer w6: SB13.1@2816,1951 2816,2013 2845,2042 3124,2042 3200,2118 P6.4@3200,2141.92
  Top Layer w15: P6.4@3200,2151.6 v1(3200,2199.6) P6.4@3200,2257.28 P17.8@3200,2349.6
  Bottom Layer w15: P12.4@3200,2141.92 v1(3200,2199.6) P12.4@3200,2257.28
P0.06: SB14.2 SB23.1 TP6.1 U1.8 | length 2566.8
  Top Layer w6: TP6.1@1850,1049.6 1895.6,1004 1978,1004 1993,989 1993,904.03 2028.03,869 2061.97,869 2149.97,957 2224,957 v1(2233,948) ; TP6.1@1863,1062.6 SB23.1@1863,1149.6 ; v1(2739,1110) 2778,1071 3001.01,1071 3044,1113.99 3044,1183.21 3105.32,1244.54 U1.8@3126.37,1244.54 ; v1(2766,1903.4) SB14.2@2766,1924.4
  Bottom Layer w6: v1(2233,948) 2254,927 2286.68,927 2325.68,966 2569.03,966 2680.03,1077 2706,1077 v1(2739,1110) 2766,1137 v1(2766,1903.4)
P0.06_C: P6.5 P12.5 P17.10 SB14.1 | length 794.1
  Top Layer w6: SB14.1@2766,1951 2766,2026 2794,2054 3036,2054 3100,2118 P6.5@3100,2141.92
  Top Layer w15: P6.5@3100,2141.92 v1(3100,2199.6) P6.5@3100,2257.28 P17.10@3100,2349.6
  Bottom Layer w15: P12.5@3100,2141.92 v1(3100,2199.6) P12.5@3100,2257.28
P0.07: SB15.2 SB24.1 TP7.1 U1.9 | length 2353.9
  Top Layer w6: TP7.1@1963,936.6 SB24.1@1963,849.6 2059.6,849.6 2154.96,944.96 2206.04,944.96 2224,927 2256,927 v1(2277,948) ; v1(2709,1110) 2760,1059 3006.01,1059 3056,1108.99 3056,1178.24 3106.55,1228.79 U1.9@3126.37,1228.79 ; v1(2716,1903.4) SB15.2@2716,1924.4
  Bottom Layer w6: v1(2277,948) 2307,978 2564.06,978 2675.09,1089.03 2688,1089 v1(2709,1110) 2754,1155 2754,1774 2716,1812 v1(2716,1903.4)
P0.07_C: P6.6 P12.6 P17.12 SB15.1 | length 736.4
  Top Layer w6: SB15.1@2716,1951 2716,2027 2755,2066 2947,2066 3000,2119 P6.6@3000,2141.92
  Top Layer w15: P6.6@3000,2149.6 v1(3000,2199.6) P6.6@3000,2257.28 P17.12@3000,2349.6
  Bottom Layer w15: P12.6@3000,2141.92 v1(3000,2199.6) P12.6@3000,2257.28
P0.08: SB16.2 SB25.1 TP8.1 U1.10 | length 2492.9
  Top Layer w6: TP8.1@1949.75,1049.85 TP8.1@1950,1049.6 2005,994.6 2005,909 2033,881 2057,881 2145,969 v1(2255,969) ; TP8.1@1963,1063.1 SB25.1@1963,1149.6 ; v1(2666,1903.4) SB16.2@2666,1924.4 ; v1(2679,1110) 2742,1047 3011.01,1047 3068,1103.99 3068,1173.27 3107.77,1213.04 U1.10@3126.37,1213.04
  Bottom Layer w6: v1(2255,969) 2276,990 2559.09,990 v1@2679.04,1109.96 ; v1(2666,1903.4) 2666,1845 2742,1769 2742,1160.32 2712.68,1131 2700,1131 v1(2679,1110)
P0.08_C: P6.7 P12.7 P17.14 SB16.1 | length 678.9
  Top Layer w6: SB16.1@2666,1951 2666,2020 2724,2078 2860,2078 2900,2118 P6.7@2900,2141.92
  Top Layer w15: P6.7@2900,2153.6 v1(2900,2199.6) P6.7@2900,2257.28 P17.14@2900,2349.6
  Bottom Layer w15: P12.7@2900,2141.92 v1(2900,2199.6) P12.7@2900,2257.28
P0.09: P6.8 P12.8 P17.16 R27.1 | length 1782.3
  Top Layer w6: v1(2656,996) R27.1@2683.84,996
  Top Layer w15: P6.8@2800,2141.92 v1(2800,2199.6) P6.8@2800,2257.28 P17.16@2800,2349.6
  Bottom Layer w6: v1(2656,996) 2679.74,972.26 2830.13,972.26 2844,986.13 2844,1056 2802,1098 2802,1832.01 2867,1897.03 2867,2052 2800,2119 P12.8@2800,2141.92
  Bottom Layer w15: P12.8@2800,2141.92 v1(2800,2199.6) P12.8@2800,2257.28
P0.09/NFC1: R25.2 R27.2 U1.11 | length 557.8
  Top Layer w6: R25.2@2722.69,969 2722.69,1000.69 2757,1035 3016.68,1035 3080,1098.32 3080,1168.3 3108.99,1197.29 U1.11@3126.37,1197.29
P0.10: P6.9 P12.9 P17.18 R28.1 | length 1668.5
  Top Layer w6: R28.1@2799.69,996 v1(2823,996)
  Top Layer w15: P6.9@2700,2141.92 v1(2700,2199.6) P6.9@2700,2257.28 P17.18@2700,2349.6
  Bottom Layer w6: 2790,1836.99 2790,1093 2823,1060 v1(2823,996) ; 2790,1837 2855,1902 2855,2046.82 2816.82,2085 2734,2085 P12.9@2700,2119 ; P12.9@2700,2119 P12.9@2700,2141.92 P12.9@2700,2119
  Bottom Layer w15: P12.9@2700,2141.92 v1(2700,2199.6) P12.9@2700,2257.28
P0.10/NFC2: R26.2 R28.2 U1.12 | length 515.7
  Top Layer w6: R26.2@2757.31,969 2757.31,999 2781.31,1023 3021.65,1023 3092,1093.35 3092,1163.33 3110.21,1181.55 U1.12@3126.37,1181.55
P0.11: P3.1 P9.1 P15.2 U1.14 | length 2146.5
  Top Layer w6: U1.14@3174.6,1149.07 3174.6,1124.27 3185,1113.87 v1(3185,1100.03)
  Top Layer w15: P3.1@2500,2141.92 v1(2500,2199.6) P3.1@2500,2257.28 P15.2@2500,2349.6
  Mid-Layer 2 w6: v1(2649,1110) 2706,1053 3164.03,1053 3185,1073.97 v1(3185,1100.03)
  Bottom Layer w6: P9.1@2500,2118 2628,1990 2628,1865.82 2730,1763.82 2730,1165.29 2707.71,1143 2682,1143 v1(2649,1110)
  Bottom Layer w15: P9.1@2500,2118 v1(2500,2199.6) P9.1@2500,2257.28
P0.12: P3.2 P9.2 P15.4 U1.15 | length 2468.2
  Top Layer w6: U1.15@3190.35,1149.07 3190.35,1125.52 3206,1109.87 v1(3206,1078)
  Top Layer w15: P3.2@2400,2141.92 v1(2400,2199.6) P3.2@2400,2257.28 P15.4@2400,2349.6
  Mid-Layer 2 w6: v1(2619,1110) 2688,1041 3169,1041 v1(3206,1078)
  Bottom Layer w6: v1(2619,1110) 2586,1143 2389,1143 2378,1154 2378,1454 2468,1544 2468,1760.16 2535,1827.16 2535,2022.94 2463.94,2094 2425,2094 P9.2@2400,2119 ; P9.2@2400,2119 P9.2@2400,2141.92 ; P9.2@2400,2119 P9.2@2400,2141.92 ; P9.2@2400,2119 P9.2@2400,2141.92
  Bottom Layer w15: P9.2@2400,2141.92 v1(2400,2199.6) P9.2@2400,2257.28
P0.13: P3.3 P9.3 P15.6 U1.16 U4.15 | length 3193.7
  Top Layer w6: U1.16@3206.09,1149.07 3206.09,1126.77 3227,1105.87 v1(3227,1056) ; v1(3278,534) 3283.87,539.87 U4.15@3307.89,539.87
  Top Layer w15: P3.3@2300,2141.92 v1(2300,2199.6) P3.3@2300,2257.28 P15.6@2300,2349.6
  Mid-Layer 2 w6: v1(2589,1110) 2670,1029 3200,1029 v1(3227,1056)
  Bottom Layer w6: P9.3@2300,2141.92 2300,2119 2337,2082 2458.97,2082 2523,2017.97 2523,1832.14 2456,1765.14 2456,1548.97 2366,1458.97 2366,1149 2384,1131 2568,1131 v1(2589,1110) ; v1(3227,1056) 3227,1003.82 3329,901.82 3329,572 3291,534 v1(3278,534)
  Bottom Layer w15: P9.3@2300,2141.92 v1(2300,2199.6) P9.3@2300,2257.28
P0.14: P3.4 P9.4 P15.8 U1.17 U4.3 | length 3383.4
  Top Layer w6: U1.17@3221.84,1149.07 3221.84,1128.02 3248,1101.87 v1(3248,1034) ; v1(3243.66,532) 3251.79,540.13 U4.3@3251.79,564.48
  Top Layer w15: P3.4@2200,2141.92 v1(2200,2199.6) P3.4@2200,2257.28 P15.8@2200,2349.6
  Mid-Layer 2 w6: v1(2559,1110) 2652,1017 3231,1017 v1(3248,1034)
  Bottom Layer w6: P9.4@2200,2141.92 2200,2119 2249,2070 2454,2070 2511,2013 2511,1837.11 2444,1770.11 2444,1553.94 2354,1463.94 2354,1144 2379,1119 2550,1119 v1(2559,1110) ; v1(3243.66,532) 3262.66,513 3287,513 3341,567 3341,907.13 3248,1000.13 v1(3248,1034)
  Bottom Layer w15: P9.4@2200,2141.92 v1(2200,2199.6) P9.4@2200,2257.28
P0.15: P3.5 P9.5 P15.10 U1.18 U4.7 | length 3908.2
  Top Layer w6: v1(2547,1011) 2613.75,944.25 2613.75,854.25 2643,825 v1(2699,825) ; v1(2781,825) 2821.99,784 3011,784 3045,818 3045,897.91 3122.09,975 3242,975 3269,1002 v1(3269,1056) 3269,1097.87 3237.59,1129.28 U1.18@3237.59,1149.07 ; v1@3177.79,524.13 U4.7@3211.44,524.13
  Top Layer w15: P3.5@2100,2141.92 v1(2100,2199.6) P3.5@2100,2257.28 P15.10@2100,2349.6
  Bottom Layer w6: P9.5@2100,2141.92 2114.66,2141.92 2198.58,2058 2449.03,2058 2499,2008.03 2499,1842.08 2432,1775.08 2432,1558.91 2342,1468.91 2342,1138.73 2373.73,1107 2451,1107 v1(2547,1011) ; v1(2699,825) v1(2781,825) ; v1(3177.66,524) 3200.66,501 3292,501 3353,562 3353,912.39 3269,996.39 v1(3269,1056)
  Bottom Layer w15: P9.5@2100,2141.92 v1(2100,2199.6) P9.5@2100,2257.28
P0.16: P3.6 P9.6 P15.12 U1.19 U4.11 | length 3953.1
  Top Layer w6: v1(2517,1011) 2538,990 2551.03,990 2601.75,939.28 2601.75,849.28 2656.03,795 v1(2699,795) ; v1(2781,795) 2803.99,772 3015.97,772 3057,813.03 3057,892.94 3127.06,963 3246.97,963 3290,1006.03 v1(3290,1034) 3290,1066 3281,1075 3281,1102.84 3253.34,1130.5 U1.19@3253.34,1149.07 ; v1(3260.66,468) 3267.54,474.88 U4.11@3267.54,499.52
  Top Layer w15: P3.6@2000,2141.92 v1(2000,2199.6) P3.6@2000,2257.28 P15.12@2000,2349.6
  Bottom Layer w6: P9.6@2000,2141.92 2000,2119.6 2073.6,2046 2444.06,2046 2487,2003.06 2487,1847.05 2420,1780.05 2420,1563.88 2330,1473.88 2330,1133.76 2368.76,1095 2433,1095 v1(2517,1011) ; v1(2699,795) v1@2771,795 ; v1(3260.66,468) 3281.66,489 3297,489 3365,557 3365,917.48 3290,992.48 v1(3290,1034)
  Bottom Layer w15: P9.6@2000,2141.92 v1(2000,2199.6) P9.6@2000,2257.28
P0.17: P3.7 P9.7 P15.14 SB30.1 U1.20 U5.15 | length 4954
  Top Layer w6: P3.7@1908,2109 v1(1933,2109) ; SB30.1@1909.52,1928.77 1909.94,1928.77 v1(1932.94,1905.77) ; v1(2487,1011) 2520,978 2546,978 2589.71,934.29 2589.71,844.29 2669,765 v1(2699,765) ; v1(2781,765) 2794,765 2798.99,760 3020.94,760 3069,808.06 3069,887.97 3132.03,951 3252.68,951 3311,1009.32 3311,1062.03 3293,1080.03 3293,1107.81 3269.09,1131.72 U1.20@3269.09,1149.07 ; v1(3629.94,2033) 3675,2033 3681.13,2026.87 U5.15@3681.13,2010.23
  Top Layer w15: P3.7@1900,2141.92 P3.7@1900,2257.28 P15.14@1900,2349.6
  Mid-Layer 2 w6: v1(1932.94,1905.77) v1(1933,2109) ; v1(2466,1894) 2554,1982 3566,1982 3617,2033 v1(3629.94,2033)
  Bottom Layer w6: P9.7@1900,2141.92 1900,2118 1909,2109 v1(1933,2109) 2008,2034 2437.94,2034 2475,1996.94 2475,1903 v1(2466,1894) 2466,1843.32 2408,1785.32 2408,1568.85 2318,1478.85 2318,1128.79 2363.79,1083 2415,1083 v1(2487,1011) ; v1(2699,765) v1@2771,765
  Bottom Layer w15: P9.7@1900,2141.92 v1(1900,2199.6) P9.7@1900,2257.28
P0.18: P3.8 P9.8 P15.16 P18.6 SB26.1 U1.21 U5.3 | length 6304.4
  Top Layer w6: SB26.1@1670.02,713 v1(1804.02,713) ; v1(2050,904) 2062.68,904 2148.68,990 2435.7,990 2456.7,1011 v1(2457,1011) 2502,966 2541,966 2577.71,929.29 2577.71,839.28 2682,735 v1(2699,735) ; v1(2412,680.23) P18.6@2412,743 ; v1(2781,735) 2794,748 3025.91,748 3081,803.09 3081,883 3137,939 3257.65,939 3323,1004.35 3323,1067 3305,1085 3305,1112.78 3284.83,1132.94 U1.21@3284.83,1149.07 ; v1(3626,1942) 3638.13,1954.13 U5.3@3656.52,1954.13
  Top Layer w15: P3.8@1800,2141.92 v1(1800,2199.6) P3.8@1800,2257.28 P15.16@1800,2349.6
  Mid-Layer 2 w6: v1(2412,680.23) 2433,701.23 2665.23,701.23 v1(2699,735) ; v1(2454,1922) 2526,1994 3561,1994 3621.07,2054.07 3658.99,2054.07 3677,2036.06 3677,1993 v1(3626,1942)
  Bottom Layer w6: P9.8@1800,2141.92 1800,2118.6 1896.6,2022 2432.97,2022 2463,1991.97 2463,1931 v1(2454,1922) 2445,1913 2445,1839.32 2396,1790.32 2396,1573.82 2306,1483.82 2306,1123.82 2358.82,1071 2397,1071 v1(2457,1011) ; v1(1804.02,713) 1946,713 2050,817 v1(2050,904) ; v1(2699,735) v1@2771,735
  Bottom Layer w15: P9.8@1800,2141.92 v1(1800,2199.6) P9.8@1800,2257.28
P0.19: P4.1 P10.1 P16.2 U1.22 U5.7 | length 4897.1
  Top Layer w6: P4.1@1640,2119.77 P4.1@1640,2141.92 ; U1.22@3300.58,1149.07 3300.58,1134.17 3326,1108.75 v1(3326,1096) ; v1(3689,1944) 3696.87,1936.13 U5.7@3696.87,1913.77
  Top Layer w15: P4.1@1640,2141.92 v1(1640,2199.6) P4.1@1640,2257.28 P16.2@1640,2349.6
  Mid-Layer 2 w6: v1(2427,1011) 2517,921 2858.33,921 2942.33,1005 3310,1005 3326,1021 v1(3326,1096) ; v1(2442,1950) 2498,2006 3556.03,2006 3616.1,2066.07 3663.96,2066.07 3689,2041.03 v1(3689,1944)
  Bottom Layer w6: P10.1@1640,2141.92 1640,2119.77 1749.77,2010 2428,2010 2451,1987 2451,1959 v1(2442,1950) 2433,1941 2433,1844.32 2384,1795.32 2384,1578.79 2294,1488.79 2294,1117.82 2352.82,1059 2379,1059 v1(2427,1011)
  Bottom Layer w15: P10.1@1640,2141.92 v1(1640,2199.6) P10.1@1640,2257.28
P0.20: P4.2 P10.2 P16.4 U1.23 U5.11 | length 5041.8
  Top Layer w6: P4.2@1540,2118.6 P4.2@1540,2141.92 ; U1.23@3316.33,1149.07 3316.33,1135.39 3347,1104.72 v1(3347,1074) ; U5.11@3721.48,1969.87 3743.13,1969.87 v1(3751,1962)
  Top Layer w15: P4.2@1540,2141.92 v1(1540,2199.6) P4.2@1540,2257.28 P16.4@1540,2349.6
  Mid-Layer 2 w6: v1(2397,1011) 2499,909 2863.31,909 2947.31,993 3314.97,993 3347,1025.03 v1(3347,1074) ; v1(2430,1978) 2470,2018 3551.06,2018 3611.13,2078.07 3668.93,2078.07 3701,2046 3701,2012 v1(3751,1962)
  Bottom Layer w6: P10.2@1540,2141.92 1540,2118.6 1660.6,1998 2410,1998 v1(2430,1978) 2421,1969 2421,1850 2372,1801 2372,1583.76 2282,1493.76 2282,1112.85 2347.85,1047 2361,1047 v1(2397,1011)
  Bottom Layer w15: P10.2@1540,2141.92 v1(1540,2199.6) P10.2@1540,2257.28
P0.21: P6.3 P12.3 P17.6 P18.10 SB17.2 SB27.1 TP11.1 U1.24 | length 4804.7
  Top Layer w6: SB27.1@1670.02,763 1711.02,804 2049,804 2139,894 v1(2197,894) ; TP11.1@2150,649.6 2213.4,713 v1(2281,713) P18.10@2312,713 ; SB17.2@2153,1071.4 2158.86,1065.54 2213.4,1011 v1(2277,1011) ; U1.24@3332.08,1149.07 3332.08,1136.61 3368,1100.69 v1(3368,1052)
  Top Layer w15: P6.3@3300,2141.92 v1(3300,2199.6) P6.3@3300,2257.28 P17.6@3300,2349.6
  Mid-Layer 2 w6: v1(2828,876) 2849,897 2868.31,897 2952.31,981 3320,981 3368,1029 v1(3368,1052)
  Bottom Layer w6: v1(2277,1011) 2239,1011 2188,960 2188,903 v1(2197,894) 2188,885 2188,806 v1(2281,713) 2858.03,713 2903,757.97 2903,801 v1(2828,876) 2882,930 2882,1035 2814,1103 2814,1735.31 2965,1886.31 2965,1978.04 3061.96,2075 3257,2075 3300,2118 P12.3@3300,2141.92
  Bottom Layer w15: P12.3@3300,2141.92 v1(3300,2199.6) P12.3@3300,2257.28
P0.22: P4.3 P10.3 P16.6 U1.27 | length 3780
  Top Layer w6: U1.27@3364.56,1213.04 3377.32,1213.04 3413,1177.36 v1(3413,1103.03)
  Top Layer w15: P4.3@1440,2118.6 v1(1440,2199.6) P4.3@1440,2257.28 P16.6@1440,2349.6
  Mid-Layer 2 w6: v1(2367,1011) 2481,897 2775,897 2817,855 2837,855 v1(2858,876) 2879,855 2926.74,855 3016.74,945 3335,945 3413,1023 v1(3413,1103.03)
  Bottom Layer w6: P10.3@1440,2141.92 1440,2118.6 1560.6,1998 1643.38,1998 1655.38,1986 2292.62,1986 2360,1918.62 2360,1799 ; 2360,1806.16 2360,1588.73 2270,1498.73 2270,1107.88 v1(2367,1011)
  Bottom Layer w15: P10.3@1440,2141.92 v1(1440,2199.6) P10.3@1440,2257.28